# KiCad board board_delta.kicad_pcb (continued)
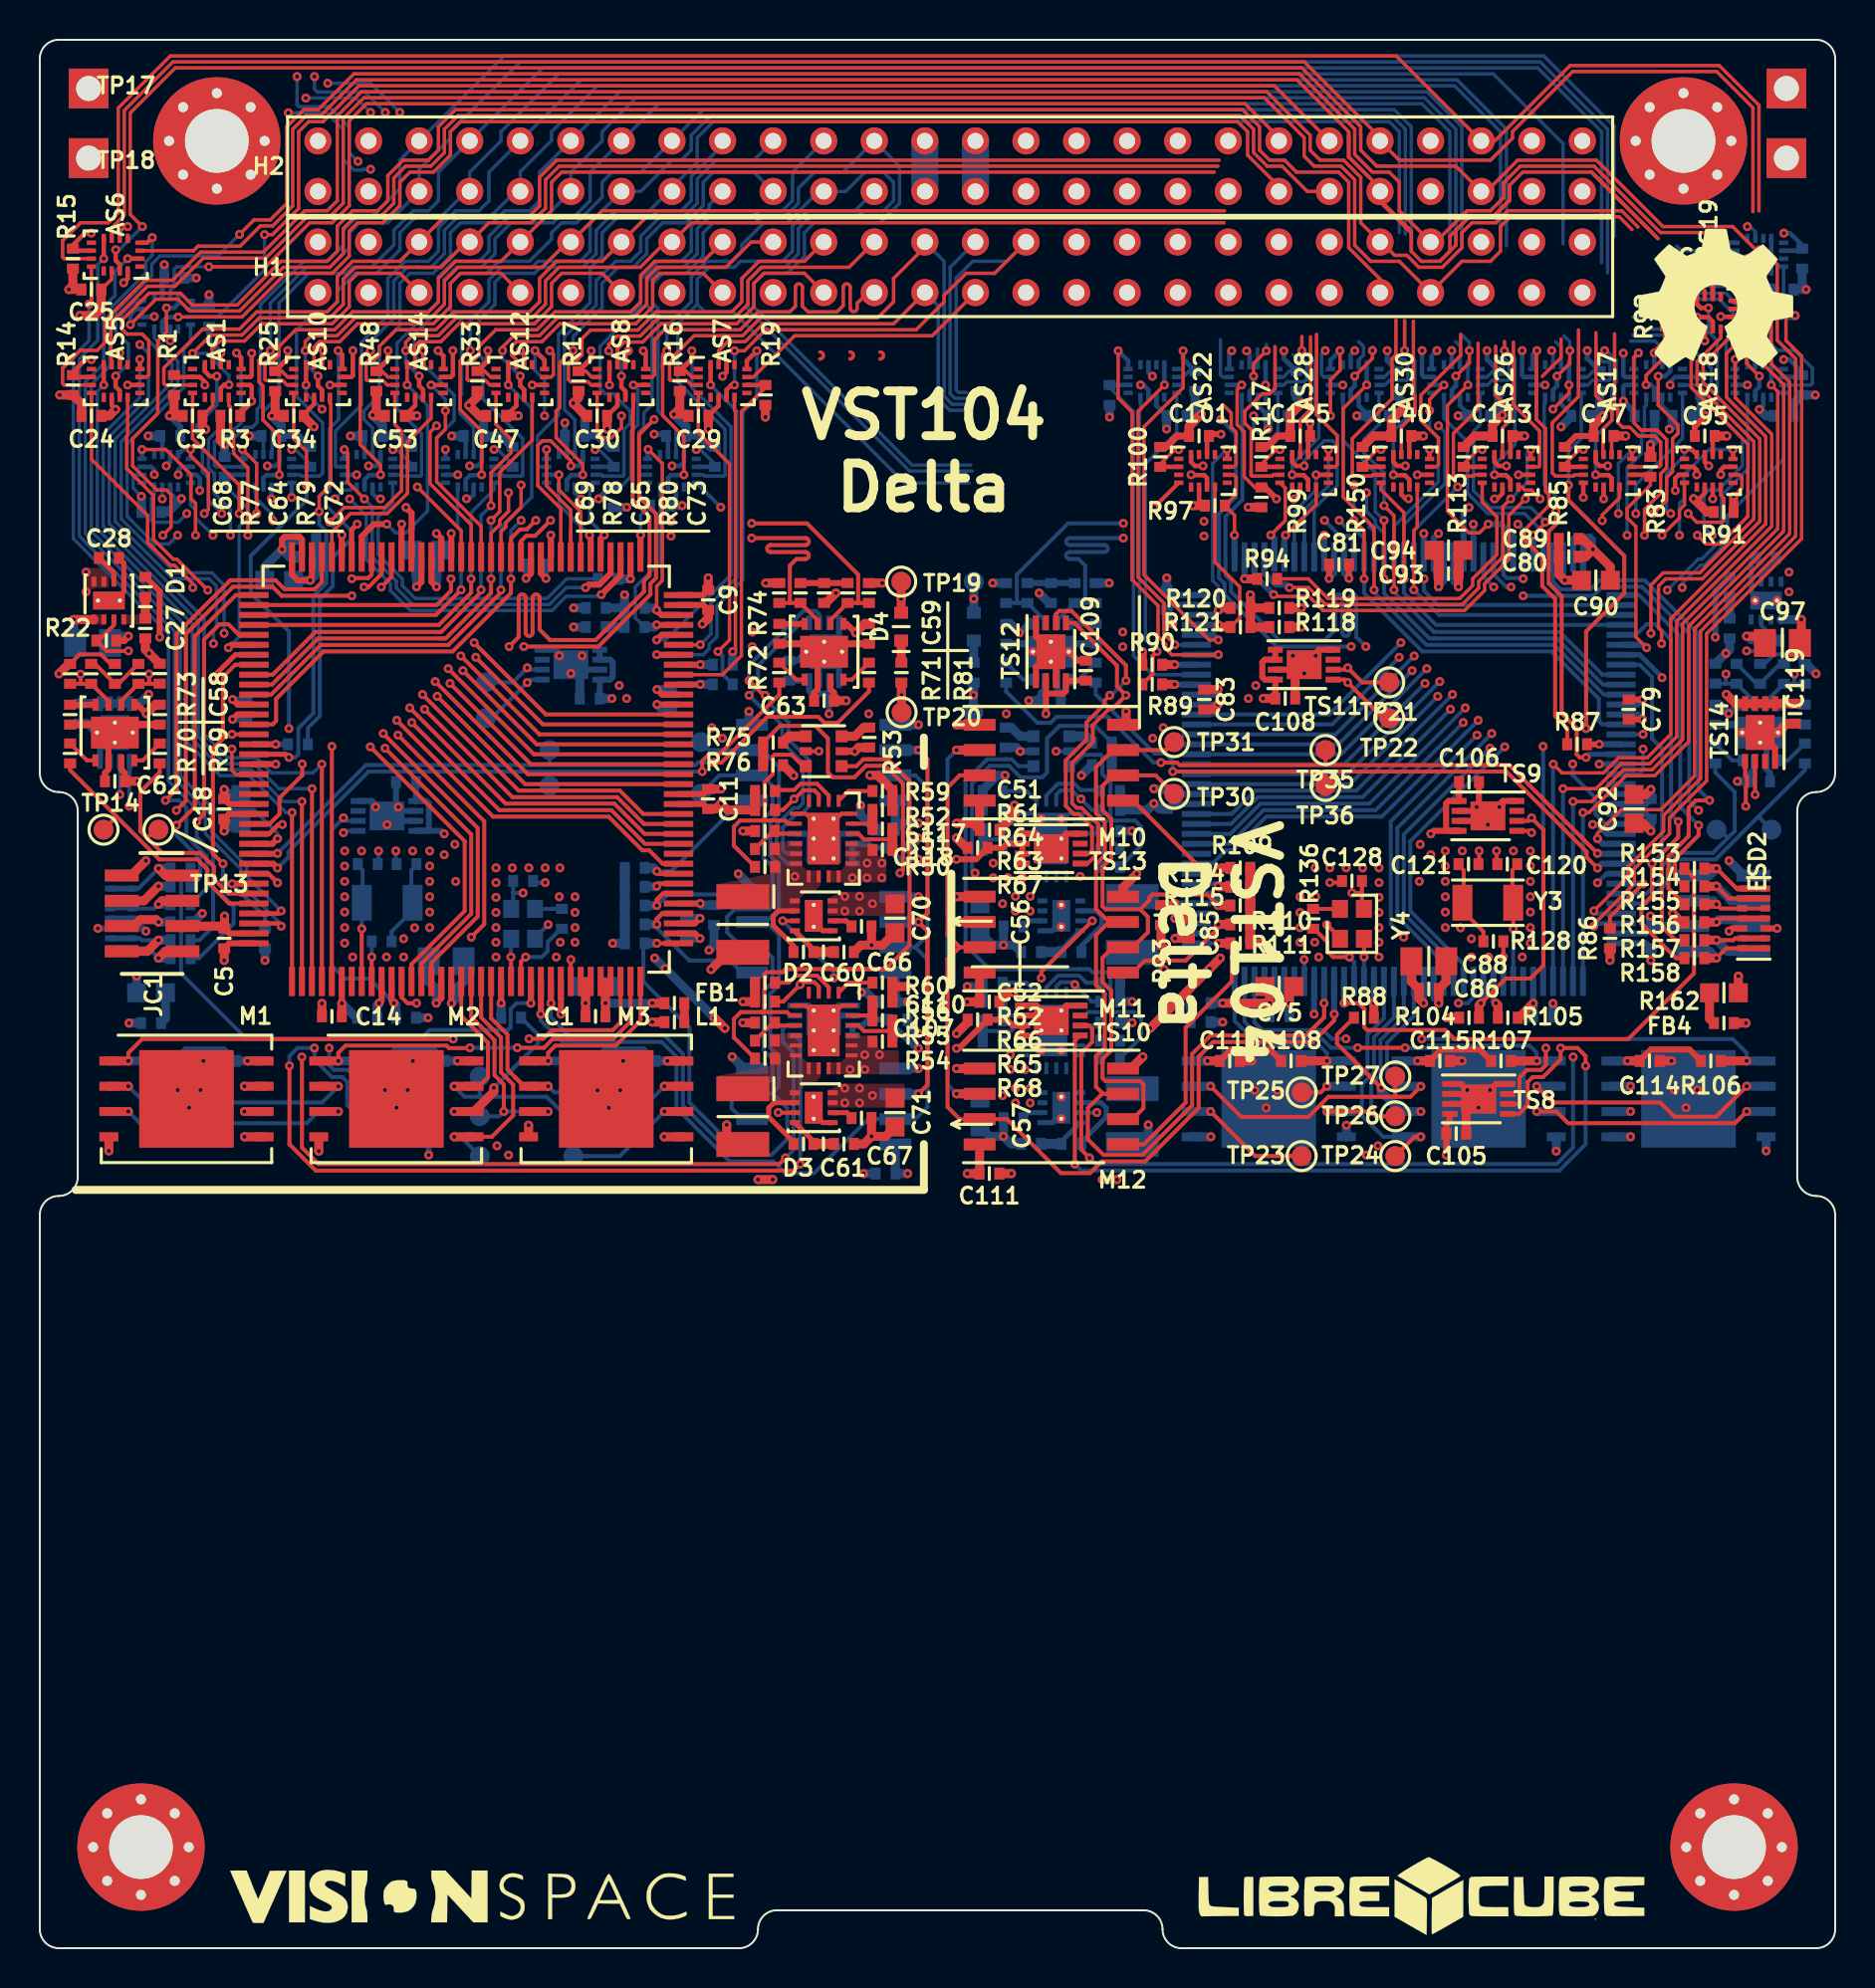
[diagram p0: board, top side]
## Placement (name value [footprint] x y rotation side) (continued)
R141  75k  [R_SMD_0402]  47.85 58.14 0 bottom
R142  75k  [R_SMD_0402]  47.85 48.51 0 bottom
R143  33k2  [R_SMD_0402]  53.75 57.19 180 bottom
R144  33k2  [R_SMD_0402]  53.75 47.56 180 bottom
R145  110k  [R_SMD_0402]  53.75 55.23 0 bottom
R146  60k4  [R_SMD_0402]  53.75 56.13 0 bottom
R147  110k  [R_SMD_0402]  53.75 45.6 0 bottom
R148  31k6  [R_SMD_0402]  53.75 46.5 0 bottom
R149  100k  [R_SMD_0402]  73.27 78.74 270 bottom
R150  100k  [R_SMD_0402]  66.43 74.93 90 top
R151  10k  [R_SMD_0402]  53.75 54.33 0 bottom
R152  10k  [R_SMD_0402]  53.75 44.7 0 bottom
R153  22  [R_SMD_0402]  83.1 54.25 180 top
R154  22  [R_SMD_0402]  83.1 53.35 180 top
R155  22  [R_SMD_0402]  83.1 52.45 180 top
R156  22  [R_SMD_0402]  83.1 51.55 180 top
R157  22  [R_SMD_0402]  83.1 50.65 180 top
R158  22  [R_SMD_0402]  83.1 49.74 180 top
R159  47k  [R_SMD_0402]  53.34 60.58 0 bottom
R160  56k  [R_SMD_0402]  53.34 59.44 180 bottom
R161  330  [R_SMD_0402]  46.9 64.09 90 bottom
R162  100 0.25W  [R_SMD_0603]  84.58 48.01 0 top
TP1  test_point  [scope_PAD_1mm]  22.4 63.6 0 bottom
TP2  test_point  [scope_PAD_1mm]  22.4 61.8 0 bottom
TP3  test_point  [scope_PAD_1mm]  26.8 39.8 0 bottom
TP4  test_point  [scope_PAD_1mm]  22.1 39.8 0 bottom
TP5  test_point  [scope_PAD_1mm]  26.8 43 0 bottom
TP6  test_point  [scope_PAD_1mm]  22.09 41.8 0 bottom
TP7  test_point  [scope_PAD_1mm]  22.09 43.8 0 bottom
TP10  test_point  [scope_PAD_1mm]  33.2 58 0 bottom
TP11  test_point  [scope_PAD_1mm]  33.2 60.6 0 bottom
TP13  test_point  [scope_PAD_1mm]  5.96 56.2 0 top
TP14  test_point  [scope_PAD_1mm]  3.2 56.2 0 top
TP15  test_point  [scope_PAD_1mm]  25.6 60.2 0 bottom
TP16  test_point  [scope_PAD_1mm]  25.6 58.4 0 bottom
TP17  GND  [scope_GND]  2.45 93.44 0 top
TP18  GND  [scope_GND]  2.45 89.94 0 top
TP19  test_point  [scope_PAD_1mm]  43.26 68.66 0 top
TP20  test_point  [scope_PAD_1mm]  43.28 62.1 0 top
TP21  test_point  [scope_PAD_1mm]  67.77 63.6 180 top
TP22  test_point  [scope_PAD_1mm]  67.77 61.8 180 top
TP23  test_point  [scope_PAD_1mm]  63.37 39.8 180 top
TP24  test_point  [scope_PAD_1mm]  68.07 39.8 180 top
TP25  test_point  [scope_PAD_1mm]  63.37 43 180 top
TP26  test_point  [scope_PAD_1mm]  68.08 41.8 180 top
TP27  test_point  [scope_PAD_1mm]  68.08 43.8 180 top
TP30  test_point  [scope_PAD_1mm]  56.97 58 180 top
TP31  test_point  [scope_PAD_1mm]  56.97 60.6 180 top
TP33  test_point  [scope_PAD_1mm]  84.21 56.2 180 bottom
TP34  test_point  [scope_PAD_1mm]  86.97 56.2 180 bottom
TP35  test_point  [scope_PAD_1mm]  64.57 60.2 180 top
TP36  test_point  [scope_PAD_1mm]  64.57 58.4 180 top
TP37  test_point  [scope_PAD_1mm]  46.91 68.66 180 bottom
TP38  test_point  [scope_PAD_1mm]  46.89 62.1 180 bottom
TP39  GND  [scope_GND]  87.72 93.44 180 bottom
TP40  GND  [scope_GND]  87.72 89.94 180 bottom
TRC1  trace_0.173mm  [trace_arc_0.173mm]  37.95 83.45 90 top
TRC2  trace_0.173mm  [trace_arc_0.173mm]  40.35 83.45 90 top
TRC3  trace_0.173mm  [trace_arc_0.173mm]  41.05 82.4 270 top
TRC4  trace_0.2mm  [trace_arc_0.2mm]  24.05 67.85 90 top
TRC5  trace_0.2mm  [trace_arc_0.2mm]  38.45 70.85 0 top
TRC6  trace_0.2mm  [trace_arc_0.2mm]  24.75 66.1 270 top
TRC7  trace_0.2mm  [trace_arc_0.2mm]  38.45 70.15 0 top
TRC8  trace_0.2mm  [trace_arc_0.2mm]  24.75 67.85 90 top
TRC9  trace_0.2mm  [trace_arc_0.2mm]  36.7 70.15 180 top
TRC10  trace_0.173mm  [trace_arc_0.173mm]  39.18 80.2 0 top
TRC11  trace_0.173mm  [trace_arc_0.173mm]  40.69 80.2 0 top
TRC12  trace_0.173mm  [trace_arc_0.173mm]  42.2 80.2 0 top
TRC13  trace_0.2mm  [trace_arc_0.2mm]  66.12 67.85 90 bottom
TRC14  trace_0.2mm  [trace_arc_0.2mm]  51.72 70.85 180 bottom
TRC15  trace_0.2mm  [trace_arc_0.2mm]  65.42 66.1 270 bottom
TRC16  trace_0.2mm  [trace_arc_0.2mm]  51.72 70.15 180 bottom
TRC17  trace_0.2mm  [trace_arc_0.2mm]  65.42 67.85 90 bottom
TRC18  trace_0.2mm  [trace_arc_0.2mm]  53.47 70.15 0 bottom
TS1  MCP9804  [DFN-8_3.0x2.0mm_EP]  17.91 42.67 0 bottom
TS2  MCP9804  [DFN-8_3.0x2.0mm_EP]  17.44 56.89 0 bottom
TS3  MCP9804  [DFN-8_3.0x2.0mm_EP]  39.37 46.61 0 bottom
TS4  MCP9804  [DFN-8_3.0x2.0mm_EP]  26.67 64.49 0 bottom
TS5  MCP9804  [DFN-8_3.0x2.0mm_EP]  39.39 65.14 270 bottom
TS6  MCP9804  [DFN-8_3.0x2.0mm_EP]  39.37 55.25 0 bottom
TS7  MCP9804  [DFN-8_3.0x2.0mm_EP]  3.77 61.08 90 bottom
TS8  MCP9804  [DFN-8_3.0x2.0mm_EP]  72.26 42.67 180 top
TS9  MCP9804  [DFN-8_3.0x2.0mm_EP]  72.73 56.89 180 top
TS10  MCP9804  [DFN-8_3.0x2.0mm_EP]  50.8 46.61 180 top
TS11  MCP9804  [DFN-8_3.0x2.0mm_EP]  63.5 64.49 180 top
TS12  MCP9804  [DFN-8_3.0x2.0mm_EP]  50.78 65.14 270 top
TS13  MCP9804  [DFN-8_3.0x2.0mm_EP]  50.8 55.25 180 top
TS14  MCP9804  [DFN-8_3.0x2.0mm_EP]  86.4 61.08 90 top
U1  STM32L496ZGTx  [LQFP-144_20x20mm_P0.5mm]  21.42 59.24 90 top
U2  TCAN1051-Q1  [VSON-8_3.0x3.0mm_EPV]  3.77 61.08 90 top
U3  TCAN1051-Q1  [VSON-8_3.0x3.0mm_EPV]  39.39 65.14 90 top
U4  STM32L496ZGTx  [LQFP-144_20x20mm_P0.5mm]  68.75 59.24 90 bottom
U5  TCAN1051-Q1  [VSON-8_3.0x3.0mm_EPV]  86.4 61.08 90 bottom
U6  TCAN1051-Q1  [VSON-8_3.0x3.0mm_EPV]  50.78 65.14 90 bottom
Y1  ABS07AIG  [LSE_3.2x1.5mm]  17.45 52.53 0 bottom
Y2  SiT8924  [HSE_2.0x1.6mm]  24.27 51.47 270 bottom
Y3  ABS07AIG  [LSE_3.2x1.5mm]  72.72 52.53 180 top
Y4  SiT8924  [HSE_2.0x1.6mm]  65.9 51.47 270 top

## Footprints (pads in the part's own frame, mm; a bottom-side part is the same pattern mirrored in y, then rotated)
C_SMD_0402
  rect 0.5x0.6 smd: 1(-0.5,0) 2(0.5,0)
C_SMD_0603
  rect 0.95x0.95 smd: 1(-0.725,0) 2(0.725,0)
C_SMD_0805
  rect 1.1x1.4 smd: 1(-0.875,0) 2(0.875,0)
C_SMD_1210
  rect 1.25x2.65 smd: 1(-1.4,0) 2(1.4,0)
CLP-104-02-x-D
  rect 0.6x1.7 smd: 1(-1.905,-1.525) 2(-1.905,1.525) 3(-0.635,-1.525) 4(-0.635,1.525) 5(0.635,-1.525) 6(0.635,1.525) 7(1.905,-1.525) 8(1.905,1.525)
D_SMD_0402
  rect 0.5x0.6 smd: 1(-0.5,0) 2(0.5,0)
D_SOD-523_1.2x0.8mm
  rect 0.6x0.7 smd: 1(-0.7,0) 2(0.7,0)
DFN-8_3.0x2.0mm_EP
  rect 0.75x0.3 smd: 1(-1.45,0.75) 2(-1.45,0.25) 3(-1.45,-0.25) 4(-1.45,-0.75) 5(1.45,-0.75) 6(1.45,-0.25) 7(1.45,0.25) 8(1.45,0.75)
  rect 1.75x1.45 smd: 9(0,0)
ESQ-126-39-x-D
  round 1.365 hole 0.8: 1(0,0) 2(0,2.54) 3(2.54,0) 4(2.54,2.54) 5(5.08,0) 6(5.08,2.54) 7(7.62,0) 8(7.62,2.54) 9(10.16,0) 10(10.16,2.54) 11(12.7,0) 12(12.7,2.54) 13(15.24,0) 14(15.24,2.54) 15(17.78,0) 16(17.78,2.54) 17(20.32,0) 18(20.32,2.54) 19(22.86,0) 20(22.86,2.54) 21(25.4,0) 22(25.4,2.54) 23(27.94,0) 24(27.94,2.54) 25(30.48,0) 26(30.48,2.54) 27(33.02,0) 28(33.02,2.54) 29(35.56,0) 30(35.56,2.54) 31(38.1,0) 32(38.1,2.54) 33(40.64,0) 34(40.64,2.54) 35(43.18,0) 36(43.18,2.54) 37(45.72,0) 38(45.72,2.54) 39(48.26,0) 40(48.26,2.54) 41(50.8,0) 42(50.8,2.54) 43(53.34,0) 44(53.34,2.54) 45(55.88,0) 46(55.88,2.54) 47(58.42,0) 48(58.42,2.54) 49(60.96,0) 50(60.96,2.54) 51(63.5,0) 52(63.5,2.54)
HSE_2.0x1.6mm
  rect 0.9x0.8 smd: 1(-0.75,-0.6) 2(0.75,-0.6) 3(0.75,0.6) 4(-0.75,0.6)
L_SMD_0402
  rect 0.5x0.6 smd: 1(-0.5,0) 2(0.5,0)
LQFP-144_20x20mm_P0.5mm
  rect 1.475x0.3 smd: 1(-10.662,8.75) 2(-10.662,8.25) 3(-10.662,7.75) 4(-10.662,7.25) 5(-10.662,6.75) 6(-10.662,6.25) 7(-10.662,5.75) 8(-10.662,5.25) 9(-10.662,4.75) 10(-10.662,4.25) 11(-10.662,3.75) 12(-10.662,3.25) 13(-10.662,2.75) 14(-10.662,2.25) 15(-10.662,1.75) 16(-10.662,1.25) 17(-10.662,0.75) 18(-10.662,0.25) 19(-10.662,-0.25) 20(-10.662,-0.75) 21(-10.662,-1.25) 22(-10.662,-1.75) 23(-10.662,-2.25) 24(-10.662,-2.75) 25(-10.662,-3.25) 26(-10.662,-3.75) 27(-10.662,-4.25) 28(-10.662,-4.75) 29(-10.662,-5.25) 30(-10.662,-5.75) 31(-10.662,-6.25) 32(-10.662,-6.75) 33(-10.662,-7.25) 34(-10.662,-7.75) 35(-10.662,-8.25) 36(-10.662,-8.75) 73(10.662,-8.75) 74(10.662,-8.25) 75(10.662,-7.75) 76(10.662,-7.25) 77(10.662,-6.75) 78(10.662,-6.25) 79(10.662,-5.75) 80(10.662,-5.25) 81(10.662,-4.75) 82(10.662,-4.25) 83(10.662,-3.75) 84(10.662,-3.25) 85(10.662,-2.75) 86(10.662,-2.25) 87(10.662,-1.75) 88(10.662,-1.25) 89(10.662,-0.75) 90(10.662,-0.25) 91(10.662,0.25) 92(10.662,0.75) 93(10.662,1.25) 94(10.662,1.75) 95(10.662,2.25) 96(10.662,2.75) 97(10.662,3.25) 98(10.662,3.75) 99(10.662,4.25) 100(10.662,4.75) 101(10.662,5.25) 102(10.662,5.75) 103(10.662,6.25) 104(10.662,6.75) 105(10.662,7.25) 106(10.662,7.75) 107(10.662,8.25) 108(10.662,8.75)
  rect 0.3x1.475 smd: 37(-8.75,-10.662) 38(-8.25,-10.662) 39(-7.75,-10.662) 40(-7.25,-10.662) 41(-6.75,-10.662) 42(-6.25,-10.662) 43(-5.75,-10.662) 44(-5.25,-10.662) 45(-4.75,-10.662) 46(-4.25,-10.662) 47(-3.75,-10.662) 48(-3.25,-10.662) 49(-2.75,-10.662) 50(-2.25,-10.662) 51(-1.75,-10.662) 52(-1.25,-10.662) 53(-0.75,-10.662) 54(-0.25,-10.662) 55(0.25,-10.662) 56(0.75,-10.662) 57(1.25,-10.662) 58(1.75,-10.662) 59(2.25,-10.662) 60(2.75,-10.662) 61(3.25,-10.662) 62(3.75,-10.662) 63(4.25,-10.662) 64(4.75,-10.662) 65(5.25,-10.662) 66(5.75,-10.662) 67(6.25,-10.662) 68(6.75,-10.662) 69(7.25,-10.662) 70(7.75,-10.662) 71(8.25,-10.662) 72(8.75,-10.662) 109(8.75,10.662) 110(8.25,10.662) 111(7.75,10.662) 112(7.25,10.662) 113(6.75,10.662) 114(6.25,10.662) 115(5.75,10.662) 116(5.25,10.662) 117(4.75,10.662) 118(4.25,10.662) 119(3.75,10.662) 120(3.25,10.662) 121(2.75,10.662) 122(2.25,10.662) 123(1.75,10.662) 124(1.25,10.662) 125(0.75,10.662) 126(0.25,10.662) 127(-0.25,10.662) 128(-0.75,10.662) 129(-1.25,10.662) 130(-1.75,10.662) 131(-2.25,10.662) 132(-2.75,10.662) 133(-3.25,10.662) 134(-3.75,10.662) 135(-4.25,10.662) 136(-4.75,10.662) 137(-5.25,10.662) 138(-5.75,10.662) 139(-6.25,10.662) 140(-6.75,10.662) 141(-7.25,10.662) 142(-7.75,10.662) 143(-8.25,10.662) 144(-8.75,10.662)
LSE_3.2x1.5mm
  rect 1x1.8 smd: 1(-1.275,0) 2(1.275,0)
mini_QFN-16-1.8x2.6mm
  rect 0.463x0.225 smd: 1(-0.819,0.6) 2(-0.819,0.2) 3(-0.819,-0.2) 4(-0.819,-0.6) 9(0.819,-0.6) 10(0.819,-0.2) 11(0.819,0.2) 12(0.819,0.6)
  rect 0.225x0.463 smd: 5(-0.6,-1.218) 6(-0.2,-1.218) 7(0.2,-1.218) 8(0.6,-1.218) 13(0.6,1.218) 14(0.2,1.218) 15(-0.2,1.218) 16(-0.6,1.218)
MountingHole_3.2mm_M3_Pad_Via
  round 0.8 hole 0.5: 1(-2.4,0) 1(-1.697,1.697) 1(-1.697,-1.697) 1(0,2.4) 1(0,-2.4) 1(1.697,1.697) 1(1.697,-1.697) 1(2.4,0)
  round 6.4 hole 3.2: 1(0,0)
R_SMD_0402
  rect 0.5x0.6 smd: 1(-0.5,0) 2(0.5,0)
R_SMD_0603
  rect 0.95x0.95 smd: 1(-0.725,0) 2(0.725,0)
scope_GND
  rect 2x2 hole 1.25: 1(0,0)
scope_PAD_1mm
  round 1 smd: 1(0,0)
SOIC-8_208_5.23x5.23mm
  rect 1.6x0.6 smd: 1(-3.6,1.905) 2(-3.6,0.635) 3(-3.6,-0.635) 4(-3.6,-1.905) 5(3.6,-1.905) 6(3.6,-0.635) 7(3.6,0.635) 8(3.6,1.905)
SOT-363_TSSOP-6_2.0x1.25mm
  rect 0.6x0.6 smd: 1(-0.9,0.75) 3(-0.9,-0.75) 4(0.9,-0.75) 6(0.9,0.75)
  rect 0.6x0.4 smd: 2(-0.9,0) 5(0.9,0)
trace_arc_0.2mm
  custom 0.375x0.55 smd: 1(0,0)
  round 0.2 smd: 1(0,-0.35)
trace_arc_0.173mm
  custom 0.348x0.523 smd: 1(0,0)
  round 0.173 smd: 1(0,-0.35)
VSON-8_3.0x3.0mm_EPV
  rect 1.47x1.07 smd: (0,0.635) (0,-0.635)
  rect 0.6x0.3 smd: 1(-1.4,0.975) 2(-1.4,0.325) 3(-1.4,-0.325) 4(-1.4,-0.975) 5(1.4,-0.975) 6(1.4,-0.325) 7(1.4,0.325) 8(1.4,0.975)
  round 0.45 hole 0.2: 9(-0.5,0) 9(0,0.9) 9(0,-0.9) 9(0.5,0)
  rect 1.6x2.4 smd: 9(0,0)
WQFN-20_4.0x3.0mm_EPV
  rect 1.47x1.15 smd: (0,0.675) (0,-0.675)
  rect 0.6x0.2 smd: 1(-1.4,1.25) 2(-1.4,0.75) 3(-1.4,0.25) 4(-1.4,-0.25) 5(-1.4,-0.75) 6(-1.4,-1.25) 11(1.4,-1.25) 12(1.4,-0.75) 13(1.4,-0.25) 14(1.4,0.25) 15(1.4,0.75) 16(1.4,1.25)
  rect 0.2x0.6 smd: 7(-0.75,-1.9) 8(-0.25,-1.9) 9(0.25,-1.9) 10(0.75,-1.9) 17(0.75,1.9) 18(0.25,1.9) 19(-0.25,1.9) 20(-0.75,1.9)
  round 0.45 hole 0.2: 21(-0.5,1) 21(-0.5,0) 21(-0.5,-1) 21(0.5,1) 21(0.5,0) 21(0.5,-1)
  rect 1.6x2.6 smd: 21(0,0)
WSON-8_2.0x2.0mm_EPV
  rect 0.9x0.7 smd: (0,0.45) (0,-0.45)
  rect 0.5x0.25 smd: 1(-0.95,0.75) 2(-0.95,0.25) 3(-0.95,-0.25) 4(-0.95,-0.75) 5(0.95,-0.75) 6(0.95,-0.25) 7(0.95,0.25) 8(0.95,0.75)
  round 0.45 hole 0.2: 9(0,0.55) 9(0,-0.55)
  rect 0.9x1.6 smd: 9(0,0)
WSON-8_6.0x8.0mm_EP
  rect 1.45x1.075 smd: (-1.65,1.913) (-1.65,0.637) (-1.65,-0.637) (-1.65,-1.913) (0,1.913) (0,0.637) (0,-0.637) (0,-1.913) (1.65,1.913) (1.65,0.637) (1.65,-0.637) (1.65,-1.913)
  rect 0.95x0.45 smd: 1(-3.9,1.905) 2(-3.9,0.635) 3(-3.9,-0.635) 4(-3.9,-1.905) 5(3.9,-1.905) 6(3.9,-0.635) 7(3.9,0.635) 8(3.9,1.905)
  rect 4.75x4.9 smd: 9(0,0)
µDFN-14_3.5x1.35mm
  rect 0.3x0.5 smd: 1(-1.5,-0.575) 2(-1,-0.575) 3(-0.5,-0.575) 4(0,-0.575) 5(0.5,-0.575) 6(1,-0.575) 7(1.5,-0.575) 8(1.5,0.575) 9(1,0.575) 10(0.5,0.575) 11(0,0.575) 12(-0.5,0.575) 13(-1,0.575) 14(-1.5,0.575)

## Nets
/OBC_left/+3V3: C5.2 C6.2 C7.2 C8.2 C9.2 C10.2 C11.2 C12.2 C13.2 C14.2 C15.1 C16.2 C17.2 C18.2 C19.2 C20.2 C21.2 C26.2 C39.1 C40.1 C41.1 C42.1 C43.1 C44.1 C55.2 C58.2 C59.2 C70.2 D1.2 D4.2 FB2.2 L1.1 M1.8 M2.8 M3.8 M4.8 M5.8 M6.8 Q1.1 Q1.2 Q2.7 Q2.8 R23.1 R24.1 R27.1 R28.1 R29.1 R30.1 R31.1 R32.1 R35.1 R36.1 R37.1 R38.1 R39.1 R40.1 TP19.1 U1.6 U1.17 U1.39 U1.52 U1.62 U1.72 U1.84 U1.95 U1.106 U1.108 U1.121 U1.131 U1.144 U2.5 U3.5 Y2.4
/OBC_left/+3V3_ADC: C1.2 C2.2 FB1.2 U1.32 U1.33
/OBC_left/+5V: AS1.10 AS2.10 AS3.10 AS4.10 AS5.10 AS6.10 AS7.10 AS8.10 AS9.10 AS10.10 AS11.10 AS12.10 AS13.10 AS14.10 AS15.10 C3.2 C4.2 C22.2 C23.2 C24.2 C25.2 C29.2 C30.2 C31.2 C34.2 C35.2 C47.2 C48.2 C53.2 C54.2 C62.2 C63.2 C71.2 Q3.7 Q3.8 R81.1 TP20.1 U2.3 U3.3
/OBC_right/+3V3: C78.2 C79.2 C80.2 C81.2 C82.2 C83.2 C84.2 C85.2 C86.2 C87.2 C88.1 C89.2 C90.2 C91.2 C92.2 C93.2 C94.2 C97.2 C110.1 C111.1 C114.1 C115.1 C116.1 C117.1 C122.2 C123.2 C128.2 C145.2 D5.2 D8.2 FB4.2 L2.1 M7.8 M8.8 M9.8 M10.8 M11.8 M12.8 Q4.1 Q4.2 Q5.7 Q5.8 R104.1 R105.1 R106.1 R107.1 R108.1 R109.1 R110.1 R111.1 R114.1 R115.1 R118.1 R119.1 R120.1 R121.1 TP37.1 U4.6 U4.17 U4.39 U4.52 U4.62 U4.72 U4.84 U4.95 U4.106 U4.108 U4.121 U4.131 U4.144 U5.5 U6.5 Y4.4
/OBC_right/+3V3_ADC: C74.2 C75.2 FB3.2 U4.32 U4.33
/OBC_right/+5V: AS16.10 AS17.10 AS18.10 AS19.10 AS20.10 AS21.10 AS22.10 AS23.10 AS24.10 AS25.10 AS26.10 AS27.10 AS28.10 AS29.10 AS30.10 C76.2 C77.2 C95.2 C96.2 C99.2 C100.2 C101.2 C103.2 C104.2 C112.2 C113.2 C124.2 C125.2 C126.2 C127.2 C139.2 C140.2 C146.2 Q6.7 Q6.8 R161.1 TP38.1 U5.3 U6.3
GND: AS1.2 AS2.2 AS3.2 AS4.2 AS5.2 AS6.2 AS7.2 AS8.2 AS9.2 AS10.2 AS11.2 AS12.2 AS13.2 AS14.2 AS15.2 AS16.2 AS17.2 AS18.2 AS19.2 AS20.2 AS21.2 AS22.2 AS23.2 AS24.2 AS25.2 AS26.2 AS27.2 AS28.2 AS29.2 AS30.2 C1.1 C2.1 C3.1 C4.1 C5.1 C6.1 C7.1 C8.1 C9.1 C10.1 C11.1 C12.1 C13.1 C14.1 C15.2 C16.1 C17.1 C18.1 C19.1 C20.1 C21.1 C22.1 C23.1 C24.1 C25.1 C26.1 C27.2 C28.2 C29.1 C30.1 C31.1 C32.2 C33.2 C34.1 C35.1 C36.2 C37.1 C38.2 C39.2 C40.2 C41.2 C42.2 C43.2 C44.2 C45.2 C46.2 C47.1 C48.1 C49.2 C50.1 C51.2 C52.2 C53.1 C54.1 C55.1 C56.2 C57.2 C58.1 C59.1 C60.2 C61.2 C62.1 C63.1 C64.1 C65.1 C66.2 C67.2 C68.1 C69.1 C70.1 C71.1 C72.1 C73.1 C74.1 C75.1 C76.1 C77.1 C78.1 C79.1 C80.1 C81.1 C82.1 C83.1 C84.1 C85.1 C86.1 C87.1 C88.2 C89.1 C90.1 C91.1 C92.1 C93.1 C94.1 C95.1 C96.1 C97.1 C98.2 C99.1 C100.1 C101.1 C102.2 C103.1 C104.1 C105.2 C106.2 C107.2 C108.1 C109.2 C110.2 C111.2 C112.1 C113.1 C114.2 C115.2 C116.2 C117.2 C118.2 C119.2 C120.2 C121.1 C122.1 C123.1 C124.1 C125.1 C126.1 C127.1 C128.1 C129.2 C130.2 C131.1 C132.1 C133.1 C134.1 C135.1 C136.1 C137.2 C138.2 C139.1 C140.1 C141.2 C142.2 C143.2 C144.2 C145.1 C146.1 EF1.1 EF1.16 EF1.21 EF2.1 EF2.16 EF2.21 EF3.1 EF3.16 EF3.21 EF4.1 EF4.16 EF4.21 ESD1.10 ESD2.10 H1.33 H1.34 H2.29 H2.30 H2.32 JC1.6 JC2.6 LG1.2 LG2.2 M1.4 M1.9 M2.4 M2.9 M3.4 M3.9 M4.4 M5.4 M6.4 M7.4 M7.9 M8.4 M8.9 M9.4 M9.9 M10.4 M11.4 M12.4 Q1.5 Q1.9 Q2.5 Q2.9 Q3.5 Q3.9 Q4.5 Q4.9 Q5.5 Q5.9 Q6.5 Q6.9 R1.1 R2.2 R3.1 R4.2 R5.2 R10.2 R11.2 R14.2 R15.2 R16.2 R17.2 R18.2 R19.2 R20.1 R21.2 R22.2 R25.2 R26.2 R33.2 R34.2 R48.2 R49.2 R52.2 R53.2 R56.2 R59.1 R60.1 R61.1 R62.1 R64.2 R66.2 R73.2 R74.2 R76.2 R82.1 R83.2 R84.1 R85.2 R86.2 R91.2 R92.2 R95.2 R96.2 R97.2 R98.2 R99.1 R100.2 R101.2 R102.2 R103.2 R112.2 R113.2 R116.2 R117.2 R126.2 R127.2 R131.2 R132.2 R135.2 R141.1 R142.1 R143.1 R144.1 R146.2 R148.2 R149.2 R150.2 R160.2 TP17.1 TP18.1 TP39.1 TP40.1 TS1.4 TS1.5 TS1.6 TS1.7 TS1.9 TS2.4 TS2.6 TS2.7 TS2.9 TS3.4 TS3.5 TS3.6 TS3.9 TS4.4 TS4.7 TS4.9 TS5.4 TS5.5 TS5.7 TS5.9 TS6.4 TS6.5 TS6.9 TS7.4 TS7.9 TS8.4 TS8.5 TS8.6 TS8.7 TS8.9 TS9.4 TS9.6 TS9.7 TS9.9 TS10.4 TS10.5 TS10.6 TS10.9 TS11.4 TS11.7 TS11.9 TS12.4 TS12.5 TS12.7 TS12.9 TS13.4 TS13.5 TS13.9 TS14.4 TS14.9 U1.16 U1.30 U1.31 U1.38 U1.51 U1.61 U1.71 U1.83 U1.94 U1.107 U1.120 U1.130 U1.143 U2.2 U2.9 U3.2 U3.9 U4.16 U4.30 U4.31 U4.38 U4.51 U4.61 U4.71 U4.83 U4.94 U4.107 U4.120 U4.130 U4.143 U5.2 U5.9 U6.2 U6.9 Y2.2 Y4.2
/OBC_left/BOOT: R5.1 U1.138
/OBC_left/CAN1_EN: AS8.14 R20.2 U1.86
/OBC_left/CAN1_N: AS8.12 C72.2 R79.1 TRC4.1 TRC6.1 TRC8.1 U2.6
/OBC_left/CAN1_P: AS8.16 C68.2 R77.1 U2.7
/OBC_left/CAN1_RX: R69.2 TP13.1 U1.139
/OBC_left/CAN1_TX: R70.2 TP14.1 U1.140
/OBC_left/CAN2_EN: AS9.14 R21.1 U1.82
/OBC_left/CAN2_N: AS9.12 C73.2 R80.1 U3.6
/OBC_left/CAN2_P: AS9.16 C69.2 R78.1 TRC5.1 TRC7.1 TRC9.1 U3.7
/OBC_left/CAN2_RX: R71.2 TP15.1 U1.135
/OBC_left/CAN2_TX: R72.2 TP16.1 U1.136
/OBC_left/CL: M4.6 M5.6 M6.6 R12.1
/OBC_left/CLK: M1.6 M2.6 M3.6 R7.2 TP3.1
/OBC_left/CPU_EN: AS7.14 R19.1 U1.64
/OBC_left/EF1_CUR: EF1.19 R61.2 U1.29
/OBC_left/EF1_en: EF1.2 LG1.6 R67.2
/OBC_left/EF1_out: C56.1 D2.2 EF1.4 EF1.5 EF1.6 EF1.7 EF1.8 LG1.5 Q2.1 Q2.2 R63.1 R67.1
/OBC_left/EF2_CUR: EF2.19 R62.2 U1.28
/OBC_left/EF2_en: EF2.2 LG1.1 R68.2
/OBC_left/EF2_out: C57.1 D3.2 EF2.4 EF2.5 EF2.6 EF2.7 EF2.8 Q3.1 Q3.2 R65.1 R68.1
/OBC_left/FAULT: AS7.8 R8.2
/OBC_left/GLO_EN: AS7.6 R16.1 U1.68
/OBC_left/HD: M4.7 M5.7 M6.7 U1.26
/OBC_left/I2C2_EN: Q1.3 R22.1 U1.123
/OBC_left/I2C2_SCL: R23.2 TP1.1 TS1.2 TS2.2 TS3.2 TS4.2 TS5.2 TS6.2 TS7.2 U1.11
/OBC_left/I2C2_SDA: R24.2 TP2.1 TS1.1 TS2.1 TS3.1 TS4.1 TS5.1 TS6.1 TS7.1 U1.10
/OBC_left/I2C3_EN: AS8.6 R17.1 U1.85
/OBC_left/I2C3_SCL: AS8.4 R38.2 U1.92
/OBC_left/I2C3_SDA: AS8.8 R37.2 U1.93
/OBC_left/I2C4_EN: AS9.6 R18.1 U1.73
/OBC_left/I2C4_SCL: AS9.4 R40.2 U1.69
/OBC_left/I2C4_SDA: AS9.8 R39.2 U1.70
/OBC_left/MODE: AS7.12 R9.2
/OBC_left/NRST: R41.2 U1.25
/OBC_left/OSC32_IN: C49.1 U1.8 Y1.1
/OBC_left/OSC32_OUT: R47.2 U1.9
/OBC_left/OSC_EN: R57.1 U1.24
/OBC_left/OSC_IN: U1.23 Y2.3
/OBC_left/Q0: M1.5 M2.5 M3.5 TP4.1 U1.20
/OBC_left/Q1: M1.2 M2.2 M3.2 TP5.1 U1.21
/OBC_left/Q2: M1.3 M2.3 M3.3 TP6.1 U1.19
/OBC_left/Q3: M1.7 M2.7 M3.7 TP7.1 U1.18
/OBC_left/QSPI_CS1: M1.1 R27.2 U1.34
/OBC_left/QSPI_CS2: M2.1 R28.2 U1.35
/OBC_left/QSPI_CS3: M3.1 R29.2 U1.36
/OBC_left/SI: M4.5 M5.5 M6.5 R35.2 U1.43
/OBC_left/SO: M4.2 M5.2 M6.2 R36.2 TP10.1 U1.42
/OBC_left/SPI1_CS1: M4.1 R30.2 U1.44
/OBC_left/SPI1_CS2: M5.1 R31.2 U1.40
/OBC_left/SPI1_CS3: M6.1 R32.2 U1.37
/OBC_left/SPI1_~{WP}: M4.3 M5.3 M6.3 TP11.1 U1.27
/OBC_left/SPI2_CS1: AS11.4 U1.96
/OBC_left/SPI2_CS2: AS2.16 U1.60
/OBC_left/SPI2_EN: AS11.6 AS11.14 R26.1 U1.91
/OBC_left/SPI2_MISO: AS11.12 U1.75
/OBC_left/SPI2_MOSI: AS11.8 U1.76
/OBC_left/SPI2_SCK: AS11.16 R13.1
/OBC_left/SPI3_CS1: AS10.4 U1.97
/OBC_left/SPI3_CS2: AS1.16 U1.54
/OBC_left/SPI3_EN: AS10.6 AS10.14 R25.1 U1.90
/OBC_left/SPI3_MISO: AS10.12 U1.125
/OBC_left/SPI3_MOSI: AS10.8 U1.126
/OBC_left/SPI3_SCK: AS10.16 R6.2
/OBC_left/SW_CLK: R42.2 U1.109
/OBC_left/SW_DIO: R43.2 U1.105
/OBC_left/SW_O: R44.2 U1.133
/OBC_left/SYNC: AS7.4 U1.67
/OBC_left/TEMP_VDD: C32.1 C33.1 C36.1 C37.2 C38.1 C45.1 C46.1 Q1.7 Q1.8 TS1.8 TS2.5 TS2.8 TS3.7 TS3.8 TS4.5 TS4.6 TS4.8 TS5.6 TS5.8 TS6.6 TS6.7 TS6.8 TS7.5 TS7.6 TS7.7 TS7.8
/OBC_left/UART1_CTS: AS14.8 U1.103
/OBC_left/UART1_EN: AS14.6 AS14.14 R48.1 U1.89
/OBC_left/UART1_RST: AS14.12 U1.104
/OBC_left/UART1_RX: AS14.16 U1.102
/OBC_left/UART1_TX: AS14.4 U1.101
/OBC_left/UART2_CTS: AS12.8 U1.117
/OBC_left/UART2_EN: AS12.6 AS12.14 R33.1 U1.87
/OBC_left/UART2_RST: AS12.12 U1.118
/OBC_left/UART2_RX: AS12.16 U1.122
/OBC_left/UART2_TX: AS12.4 U1.119
/OBC_left/UART3_CTS: AS13.8 U1.80
/OBC_left/UART3_EN: AS13.6 AS13.14 R34.1 U1.79
/OBC_left/UART3_RST: AS13.12 U1.81
/OBC_left/UART3_RX: AS13.4 U1.78
/OBC_left/UART3_TX: AS13.16 U1.77
/OBC_left/UART4_CTS: AS15.8 U1.137
/OBC_left/UART4_EN: AS15.6 AS15.14 R49.1 U1.88
/OBC_left/UART4_RST: AS15.12 U1.110
/OBC_left/UART4_RX: AS15.16 U1.112
/OBC_left/UART4_TX: AS15.4 U1.111
/OBC_left/UART5_RX: R46.2 U1.116
/OBC_left/UART5_TX: R45.2 U1.113
/OBC_left/USER1_1: AS1.4 U1.53
/OBC_left/USER1_2: AS1.8 U1.55
/OBC_left/USER1_4: AS1.12 U1.56
/OBC_left/USER1_EN: AS1.6 R1.2 U1.99
/OBC_left/USER2_1: AS2.4 U1.58
/OBC_left/USER2_2: AS2.8 U1.57
/OBC_left/USER2_4: AS2.12 U1.59
/OBC_left/USER2_EN: AS2.6 R2.1 U1.114
/OBC_left/USER3_1: AS3.16 U1.50
/OBC_left/USER3_2: AS3.4 U1.47
/OBC_left/USER3_3: AS3.12 U1.49
/OBC_left/USER3_4: AS3.8 U1.48
/OBC_left/USER3_EN: AS3.6 AS3.14 R10.1 U1.132
/OBC_left/USER4_1: AS4.4 U1.13
/OBC_left/USER4_2: AS4.12 U1.12
/OBC_left/USER4_3: AS4.8 U1.5
/OBC_left/USER4_4: AS4.16 U1.45
/OBC_left/USER4_EN: AS4.6 AS4.14 R11.1 U1.127
/OBC_left/USER5_1: AS5.16 U1.3
/OBC_left/USER5_2: AS5.8 U1.14
/OBC_left/USER5_3: AS5.4 U1.2
/OBC_left/USER5_4: AS5.12 U1.15
/OBC_left/USER5_EN: AS5.6 AS5.14 R14.1 U1.115
/OBC_left/USER6_1: AS6.16 U1.1
/OBC_left/USER6_2: AS6.4 U1.141
/OBC_left/USER6_3: AS6.12 U1.4
/OBC_left/USER6_4: AS6.8 U1.142
/OBC_left/USER6_EN: AS6.6 AS6.14 R15.1 U1.134
/OBC_left/USER_SPI2_EN: AS2.14 R4.1 U1.100
/OBC_left/USER_SPI3_EN: AS1.14 R3.2 U1.98
/OBC_left/WATCHDOG: AS7.16 U1.66
/OBC_right/BOOT: R86.1 U4.138
/OBC_right/CAN1_EN: AS21.14 R99.2 U4.86
/OBC_right/CAN1_N: AS21.12 C135.2 R139.1 TRC13.1 TRC15.1 TRC17.1 U5.6
/OBC_right/CAN1_P: AS21.16 C133.2 R137.1 U5.7
/OBC_right/CAN1_RX: R122.2 TP33.1 U4.139
/OBC_right/CAN1_TX: R123.2 TP34.1 U4.140
/OBC_right/CAN2_EN: AS22.14 R100.1 U4.82
/OBC_right/CAN2_N: AS22.12 C136.2 R140.1 U6.6
/OBC_right/CAN2_P: AS22.16 C134.2 R138.1 TRC14.1 TRC16.1 TRC18.1 U6.7
/OBC_right/CAN2_RX: R124.2 TP35.1 U4.135
/OBC_right/CAN2_TX: R125.2 TP36.1 U4.136
/OBC_right/CL: M10.6 M11.6 M12.6 R93.1
/OBC_right/CLK: M7.6 M8.6 M9.6 R88.2 TP23.1
/OBC_right/CPU_EN: AS20.14 R98.1 U4.64
/OBC_right/EF1_CUR: EF3.19 R143.2 U4.29
/OBC_right/EF1_en: EF3.2 LG2.6 R151.2
/OBC_right/EF1_out: C137.1 D6.2 EF3.4 EF3.5 EF3.6 EF3.7 EF3.8 LG2.5 Q5.1 Q5.2 R145.1 R151.1
/OBC_right/EF2_CUR: EF4.19 R144.2 U4.28
/OBC_right/EF2_en: EF4.2 LG2.1 R152.2
/OBC_right/EF2_out: C138.1 D7.2 EF4.4 EF4.5 EF4.6 EF4.7 EF4.8 Q6.1 Q6.2 R147.1 R152.1
/OBC_right/FAULT: AS20.8 R89.2
/OBC_right/GLO_EN: AS20.6 R95.1 U4.68
/OBC_right/HD: M10.7 M11.7 M12.7 U4.26
/OBC_right/I2C2_EN: Q4.3 R103.1 U4.123
/OBC_right/I2C2_SCL: R104.2 TP21.1 TS8.2 TS9.2 TS10.2 TS11.2 TS12.2 TS13.2 TS14.2 U4.11
/OBC_right/I2C2_SDA: R105.2 TP22.1 TS8.1 TS9.1 TS10.1 TS11.1 TS12.1 TS13.1 TS14.1 U4.10
/OBC_right/I2C3_EN: AS21.6 R96.1 U4.85
/OBC_right/I2C3_SCL: AS21.4 R119.2 U4.92
/OBC_right/I2C3_SDA: AS21.8 R118.2 U4.93
/OBC_right/I2C4_EN: AS22.6 R97.1 U4.73
/OBC_right/I2C4_SCL: AS22.4 R121.2 U4.69
/OBC_right/I2C4_SDA: AS22.8 R120.2 U4.70
/OBC_right/MODE: AS20.12 R90.2
/OBC_right/NRST: R153.2 U4.25
/OBC_right/OSC32_IN: C120.1 U4.8 Y3.1
/OBC_right/OSC32_OUT: R128.2 U4.9
/OBC_right/OSC_EN: R136.1 U4.24
/OBC_right/OSC_IN: U4.23 Y4.3
/OBC_right/Q0: M7.5 M8.5 M9.5 TP24.1 U4.20
/OBC_right/Q1: M7.2 M8.2 M9.2 TP25.1 U4.21
/OBC_right/Q2: M7.3 M8.3 M9.3 TP26.1 U4.19
/OBC_right/Q3: M7.7 M8.7 M9.7 TP27.1 U4.18
/OBC_right/QSPI_CS1: M7.1 R106.2 U4.34
/OBC_right/QSPI_CS2: M8.1 R107.2 U4.35
/OBC_right/QSPI_CS3: M9.1 R108.2 U4.36
/OBC_right/SI: M10.5 M11.5 M12.5 R114.2 U4.43
/OBC_right/SO: M10.2 M11.2 M12.2 R115.2 TP30.1 U4.42
/OBC_right/SPI1_CS1: M10.1 R109.2 U4.44
/OBC_right/SPI1_CS2: M11.1 R110.2 U4.40
/OBC_right/SPI1_CS3: M12.1 R111.2 U4.37
/OBC_right/SPI1_~{WP}: M10.3 M11.3 M12.3 TP31.1 U4.27
/OBC_right/SPI2_CS1: AS26.4 U4.96
/OBC_right/SPI2_CS2: AS17.16 U4.60
/OBC_right/SPI2_EN: AS26.6 AS26.14 R113.1 U4.91
/OBC_right/SPI2_MISO: AS26.12 U4.75
/OBC_right/SPI2_MOSI: AS26.8 U4.76
/OBC_right/SPI2_SCK: AS26.16 R94.1
/OBC_right/SPI3_CS1: AS25.4 U4.97
/OBC_right/SPI3_CS2: AS16.16 U4.54
/OBC_right/SPI3_EN: AS25.6 AS25.14 R112.1 U4.90
/OBC_right/SPI3_MISO: AS25.12 U4.125
/OBC_right/SPI3_MOSI: AS25.8 U4.126
/OBC_right/SPI3_SCK: AS25.16 R87.2
/OBC_right/SW_CLK: R154.2 U4.109
/OBC_right/SW_DIO: R155.2 U4.105
/OBC_right/SW_O: R156.2 U4.133
/OBC_right/SYNC: AS20.4 U4.67
/OBC_right/TEMP_VDD: C105.1 C106.1 C107.1 C108.2 C109.1 C118.1 C119.1 Q4.7 Q4.8 TS8.8 TS9.5 TS9.8 TS10.7 TS10.8 TS11.5 TS11.6 TS11.8 TS12.6 TS12.8 TS13.6 TS13.7 TS13.8 TS14.5 TS14.6 TS14.7 TS14.8
/OBC_right/UART1_CTS: AS29.8 U4.103
/OBC_right/UART1_EN: AS29.6 AS29.14 R149.1 U4.89
/OBC_right/UART1_RST: AS29.12 U4.104
/OBC_right/UART1_RX: AS29.16 U4.102
/OBC_right/UART1_TX: AS29.4 U4.101
/OBC_right/UART2_CTS: AS27.8 U4.117
/OBC_right/UART2_EN: AS27.6 AS27.14 R116.1 U4.87
/OBC_right/UART2_RST: AS27.12 U4.118
/OBC_right/UART2_RX: AS27.16 U4.122
/OBC_right/UART2_TX: AS27.4 U4.119
/OBC_right/UART3_CTS: AS28.8 U4.80
/OBC_right/UART3_EN: AS28.6 AS28.14 R117.1 U4.79
/OBC_right/UART3_RST: AS28.12 U4.81
/OBC_right/UART3_RX: AS28.4 U4.78
/OBC_right/UART3_TX: AS28.16 U4.77
/OBC_right/UART4_CTS: AS30.8 U4.137
/OBC_right/UART4_EN: AS30.6 AS30.14 R150.1 U4.88
/OBC_right/UART4_RST: AS30.12 U4.110
/OBC_right/UART4_RX: AS30.16 U4.112
/OBC_right/UART4_TX: AS30.4 U4.111
/OBC_right/UART5_RX: R158.2 U4.116
/OBC_right/UART5_TX: R157.2 U4.113
/OBC_right/USER1_1: AS16.4 U4.53
/OBC_right/USER1_2: AS16.8 U4.55
/OBC_right/USER1_4: AS16.12 U4.56
/OBC_right/USER1_EN: AS16.6 R82.2 U4.99
/OBC_right/USER2_1: AS17.4 U4.58
/OBC_right/USER2_2: AS17.8 U4.57
/OBC_right/USER2_4: AS17.12 U4.59
/OBC_right/USER2_EN: AS17.6 R83.1 U4.114
/OBC_right/USER3_1: AS18.16 U4.50
/OBC_right/USER3_2: AS18.4 U4.47
/OBC_right/USER3_3: AS18.12 U4.49
/OBC_right/USER3_4: AS18.8 U4.48
/OBC_right/USER3_EN: AS18.6 AS18.14 R91.1 U4.132
/OBC_right/USER4_1: AS19.4 U4.13
/OBC_right/USER4_2: AS19.12 U4.12
/OBC_right/USER4_3: AS19.8 U4.5
/OBC_right/USER4_4: AS19.16 U4.45
/OBC_right/USER4_EN: AS19.6 AS19.14 R92.1 U4.127
/OBC_right/USER5_1: AS23.16 U4.3
/OBC_right/USER5_2: AS23.8 U4.14
/OBC_right/USER5_3: AS23.4 U4.2
/OBC_right/USER5_4: AS23.12 U4.15
/OBC_right/USER5_EN: AS23.6 AS23.14 R101.1 U4.115
/OBC_right/USER6_1: AS24.16 U4.1
/OBC_right/USER6_2: AS24.4 U4.141
/OBC_right/USER6_3: AS24.12 U4.4
/OBC_right/USER6_4: AS24.8 U4.142
/OBC_right/USER6_EN: AS24.6 AS24.14 R102.1 U4.134
/OBC_right/USER_SPI2_EN: AS17.14 R85.1 U4.100
/OBC_right/USER_SPI3_EN: AS16.14 R84.2 U4.98
/OBC_right/WATCHDOG: AS20.16 U4.66
CAN_1_N: AS8.11 AS21.11 H1.24
CAN_1_P: AS8.15 AS21.15 H1.23 TRC1.1 TRC2.1 TRC3.1 TRC10.1 TRC11.1 TRC12.1
CAN_2_N: AS9.11 AS22.11 H2.24
CAN_2_P: AS9.15 AS22.15 H2.23
CPU_MODE: AS7.11 AS20.11 H1.30
CPU_WD_1: AS7.15 H1.27
CPU_WD_2: AS20.15 H1.28
GLO_FAULT: AS7.7 AS20.7 H1.26
GLO_KS_1: H1.35 LG1.3 R53.1
GLO_KS_2: H1.36 LG2.3 R132.1
GLO_SYNC: AS7.3 AS20.3 H1.25
I2C_1_SCL: AS8.3 AS21.3 H1.21
I2C_1_SDA: AS8.7 AS21.7 H1.22
I2C_2_SCL: AS9.3 AS22.3 H2.21
I2C_2_SDA: AS9.7 AS22.7 H2.22
SPI_1_CS1: AS10.3 AS25.3 H1.9
SPI_1_CS2: AS1.15 AS16.15 H1.7
SPI_1_MISO: AS10.11 AS25.11 H1.12
SPI_1_MOSI: AS10.7 AS25.7 H1.10
SPI_1_SCK: AS10.15 AS25.15 H1.11
SPI_2_CS1: AS11.3 AS26.3 H2.9
SPI_2_CS2: AS2.15 AS17.15 H2.7
SPI_2_MISO: AS11.11 AS26.11 H2.12
SPI_2_MOSI: AS11.7 AS26.7 H2.10
SPI_2_SCK: AS11.15 AS26.15 H2.11
SUP_3V3: EF1.9 EF1.10 EF1.11 EF1.12 EF1.13 EF3.9 EF3.10 EF3.11 EF3.12 EF3.13 H2.27 H2.28 R50.1 R129.1
SUP_5V: EF2.9 EF2.10 EF2.11 EF2.12 EF2.13 EF4.9 EF4.10 EF4.11 EF4.12 EF4.13 H2.25 H2.26 R54.1 R133.1
UART_1_CTS: AS14.7 AS29.7 H1.14
UART_1_RST: AS14.11 AS29.11 H1.16
UART_1_RX: AS14.15 AS29.15 H1.15
UART_1_TX: AS14.3 AS29.3 H1.13
UART_2_CTS: AS15.7 AS30.7 H2.14
UART_2_RST: AS15.11 AS30.11 H2.16
UART_2_RX: AS15.15 AS30.15 H2.15
UART_2_TX: AS15.3 AS30.3 H2.13
UART_RCS_1_CTS: AS12.7 AS27.7 H1.18
UART_RCS_1_RST: AS12.11 AS27.11 H1.20
UART_RCS_1_RX: AS12.15 AS27.15 H1.19
UART_RCS_1_TX: AS12.3 AS27.3 H1.17
UART_RCS_2_CTS: AS13.7 AS28.7 H2.18
UART_RCS_2_RST: AS13.11 AS28.11 H2.20
UART_RCS_2_RX: AS13.3 AS28.3 H2.19
UART_RCS_2_TX: AS13.15 AS28.15 H2.17
USER_1_1: AS1.3 AS16.3 H1.5
USER_1_2: AS1.7 AS16.7 H1.6
USER_1_4: AS1.11 AS16.11 H1.8
USER_2_1: AS2.3 AS17.3 H2.5
USER_2_2: AS2.7 AS17.7 H2.6
USER_2_4: AS2.11 AS17.11 H2.8
USER_3_1: AS3.15 AS18.15 H1.39
USER_3_2: AS3.3 AS18.3 H1.40
USER_3_3: AS3.11 AS18.11 H1.41
USER_3_4: AS3.7 AS18.7 H1.42
USER_4_1: AS4.3 AS19.3 H2.39
USER_4_2: AS4.11 AS19.11 H2.40
USER_4_3: AS4.7 AS19.7 H2.41
USER_4_4: AS4.15 AS19.15 H2.42
USER_5_1: AS5.15 AS23.15 H1.43
USER_5_2: AS5.7 AS23.7 H1.44
USER_5_3: AS5.3 AS23.3 H1.45
USER_5_4: AS5.11 AS23.11 H1.46
USER_6_1: AS6.15 AS24.15 H2.43
USER_6_2: AS6.3 AS24.3 H2.44
USER_6_3: AS6.11 AS24.11 H2.47
USER_6_4: AS6.7 AS24.7 H2.48
Net-(AS1-Pad1): AS1.1
Net-(AS1-Pad5): AS1.5
Net-(AS1-Pad9): AS1.9
Net-(AS1-Pad13): AS1.13
Net-(AS2-Pad1): AS2.1
Net-(AS2-Pad5): AS2.5
Net-(AS2-Pad9): AS2.9
Net-(AS2-Pad13): AS2.13
Net-(AS3-Pad1): AS3.1
Net-(AS3-Pad5): AS3.5
Net-(AS3-Pad9): AS3.9
Net-(AS3-Pad13): AS3.13
Net-(AS4-Pad1): AS4.1
Net-(AS4-Pad5): AS4.5
Net-(AS4-Pad9): AS4.9
Net-(AS4-Pad13): AS4.13
Net-(AS5-Pad1): AS5.1
Net-(AS5-Pad5): AS5.5
Net-(AS5-Pad9): AS5.9
Net-(AS5-Pad13): AS5.13
Net-(AS6-Pad1): AS6.1
Net-(AS6-Pad5): AS6.5
Net-(AS6-Pad9): AS6.9
Net-(AS6-Pad13): AS6.13
Net-(AS7-Pad1): AS7.1
Net-(AS7-Pad5): AS7.5
Net-(AS7-Pad9): AS7.9
Net-(AS7-Pad13): AS7.13
Net-(AS8-Pad1): AS8.1
Net-(AS8-Pad5): AS8.5
Net-(AS8-Pad9): AS8.9
Net-(AS8-Pad13): AS8.13
Net-(AS9-Pad1): AS9.1
Net-(AS9-Pad5): AS9.5
Net-(AS9-Pad9): AS9.9
Net-(AS9-Pad13): AS9.13
Net-(AS10-Pad1): AS10.1
Net-(AS10-Pad5): AS10.5
Net-(AS10-Pad9): AS10.9
Net-(AS10-Pad13): AS10.13
Net-(AS11-Pad1): AS11.1
Net-(AS11-Pad5): AS11.5
Net-(AS11-Pad9): AS11.9
Net-(AS11-Pad13): AS11.13
Net-(AS12-Pad1): AS12.1
Net-(AS12-Pad5): AS12.5
Net-(AS12-Pad9): AS12.9
Net-(AS12-Pad13): AS12.13
Net-(AS13-Pad1): AS13.1
Net-(AS13-Pad5): AS13.5
Net-(AS13-Pad9): AS13.9
Net-(AS13-Pad13): AS13.13
Net-(AS14-Pad1): AS14.1
Net-(AS14-Pad5): AS14.5
Net-(AS14-Pad9): AS14.9
Net-(AS14-Pad13): AS14.13
Net-(AS15-Pad1): AS15.1
Net-(AS15-Pad5): AS15.5
Net-(AS15-Pad9): AS15.9
Net-(AS15-Pad13): AS15.13
Net-(AS16-Pad1): AS16.1
Net-(AS16-Pad5): AS16.5
Net-(AS16-Pad9): AS16.9
Net-(AS16-Pad13): AS16.13
Net-(AS17-Pad1): AS17.1
Net-(AS17-Pad5): AS17.5
Net-(AS17-Pad9): AS17.9
Net-(AS17-Pad13): AS17.13
Net-(AS18-Pad1): AS18.1
Net-(AS18-Pad5): AS18.5
Net-(AS18-Pad9): AS18.9
Net-(AS18-Pad13): AS18.13
Net-(AS19-Pad1): AS19.1
Net-(AS19-Pad5): AS19.5
Net-(AS19-Pad9): AS19.9
Net-(AS19-Pad13): AS19.13
Net-(AS20-Pad1): AS20.1
Net-(AS20-Pad5): AS20.5
Net-(AS20-Pad9): AS20.9
Net-(AS20-Pad13): AS20.13
Net-(AS21-Pad1): AS21.1
Net-(AS21-Pad5): AS21.5
Net-(AS21-Pad9): AS21.9
Net-(AS21-Pad13): AS21.13
Net-(AS22-Pad1): AS22.1
Net-(AS22-Pad5): AS22.5
Net-(AS22-Pad9): AS22.9
Net-(AS22-Pad13): AS22.13
Net-(AS23-Pad1): AS23.1
Net-(AS23-Pad5): AS23.5
Net-(AS23-Pad9): AS23.9
Net-(AS23-Pad13): AS23.13
Net-(AS24-Pad1): AS24.1
Net-(AS24-Pad5): AS24.5
Net-(AS24-Pad9): AS24.9
Net-(AS24-Pad13): AS24.13
Net-(AS25-Pad1): AS25.1
Net-(AS25-Pad5): AS25.5
Net-(AS25-Pad9): AS25.9
Net-(AS25-Pad13): AS25.13
Net-(AS26-Pad1): AS26.1
Net-(AS26-Pad5): AS26.5
Net-(AS26-Pad9): AS26.9
Net-(AS26-Pad13): AS26.13
Net-(AS27-Pad1): AS27.1
Net-(AS27-Pad5): AS27.5
Net-(AS27-Pad9): AS27.9
Net-(AS27-Pad13): AS27.13
Net-(AS28-Pad1): AS28.1
Net-(AS28-Pad5): AS28.5
Net-(AS28-Pad9): AS28.9
Net-(AS28-Pad13): AS28.13
Net-(AS29-Pad1): AS29.1
Net-(AS29-Pad5): AS29.5
Net-(AS29-Pad9): AS29.9
Net-(AS29-Pad13): AS29.13
Net-(AS30-Pad1): AS30.1
Net-(AS30-Pad5): AS30.5
Net-(AS30-Pad9): AS30.9
Net-(AS30-Pad13): AS30.13
Net-(C27-Pad1): C27.1 D1.1 Q1.4
Net-(C28-Pad1): C28.1 Q1.6
Net-(C50-Pad2): C50.2 R47.1 Y1.2
Net-(C51-Pad1): C51.1 EF1.18
Net-(C52-Pad1): C52.1 EF2.18
Net-(C60-Pad1): C60.1 D2.1 Q2.4
Net-(C61-Pad1): C61.1 D3.1 Q3.4
Net-(C64-Pad2): C64.2 R77.2 R79.2
Net-(C65-Pad2): C65.2 R78.2 R80.2
Net-(C66-Pad1): C66.1 Q2.6
Net-(C67-Pad1): C67.1 Q3.6
Net-(C98-Pad1): C98.1 D5.1 Q4.4
